# KiCad board PiEEG.kicad_pcb (continued)
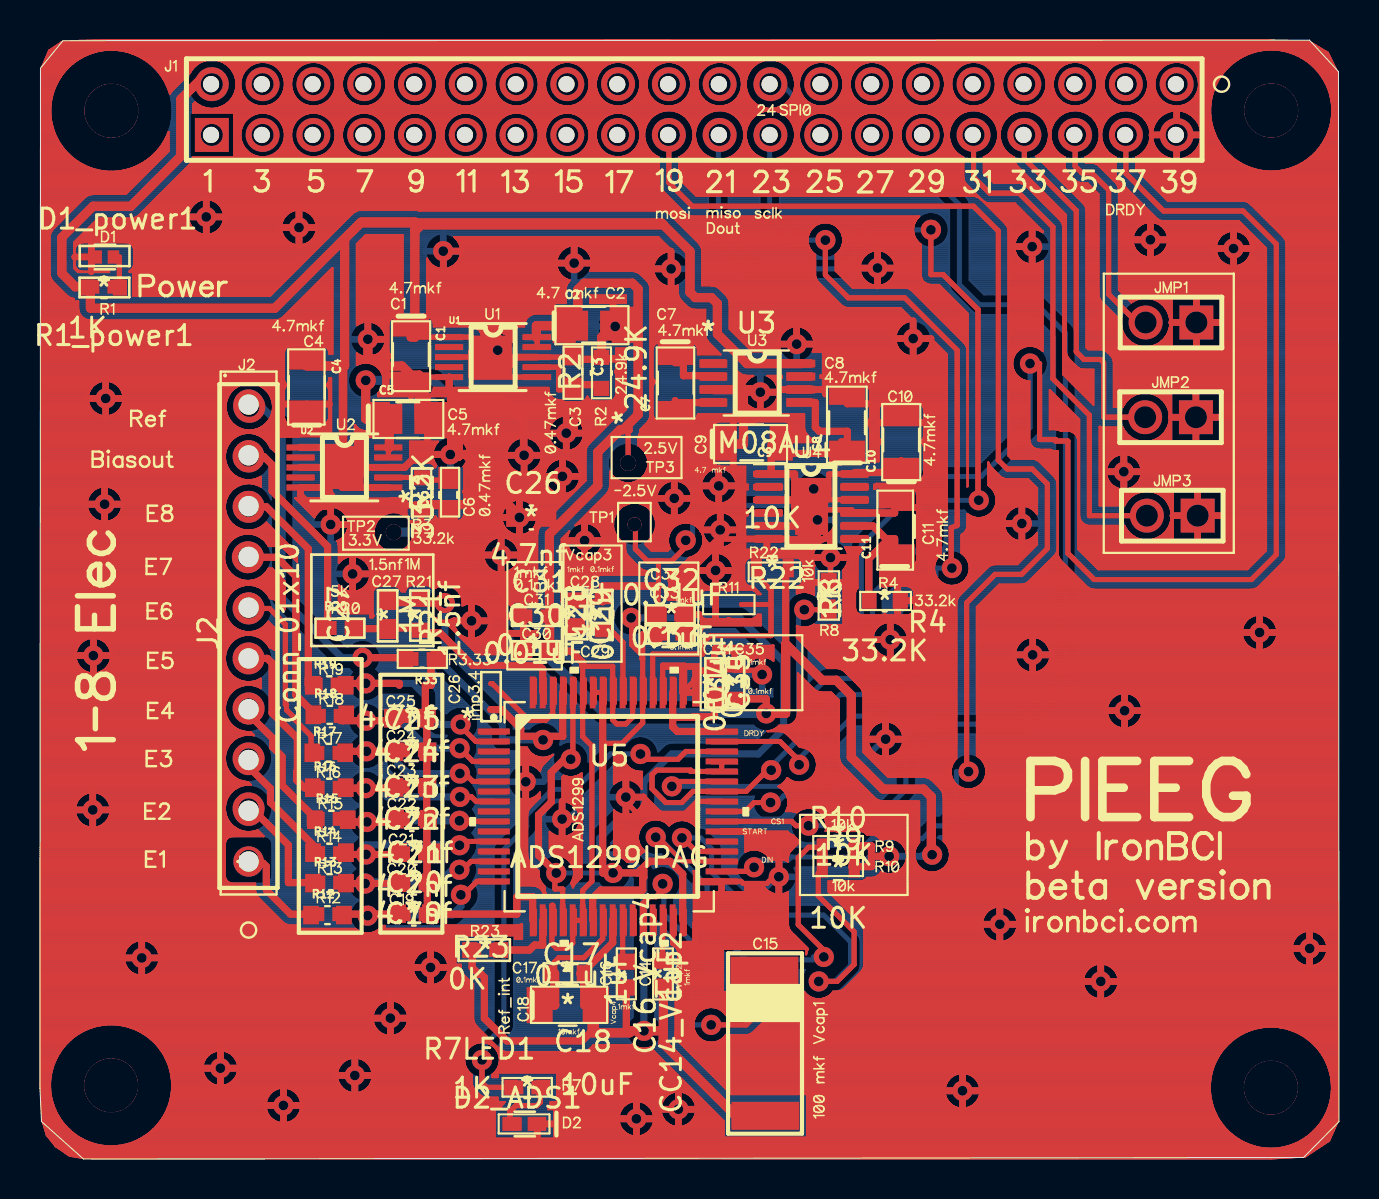
[diagram p0: board, top side]
## Routing (per net, layer and track width the routed paths; a pad name or vN(x,y) marks a point on that pad's centre or on a via; arc(x,y) is an arc through that point) (continued)
50.75,50.55 ; 50.81,50.47 50.75,50.55 ; 50.75,50.55 50.7,50.63 ; 50.75,50.55 50.7,50.63 ; 17.26,40.78 17.24,40.71 ; 17.26,40.78 17.24,40.71 ; 17.26,40.78 17.28,40.84 ; 17.26,40.78 17.28,40.84 ; 17.24,40.71 17.21,40.64 ; 17.24,40.71 17.21,40.64 ; 59.58,54.76 59.69,54.85 ; 59.58,54.76 59.47,54.66 ; 59.58,54.76 59.47,54.66 ; 59.58,54.76 59.69,54.85 ; 16.81,39.68 16.85,39.65 ; 16.81,39.68 16.77,39.71 ; 16.81,39.68 16.77,39.71 ; 16.81,39.68 16.85,39.65 ; 16.85,39.65 16.89,39.62 ; 16.85,39.65 16.89,39.62 ; 16.64,41.87 16.71,41.85 ; 16.64,41.87 16.71,41.85 ; 16.64,41.87 16.58,41.89 ; 16.64,41.87 16.58,41.89 ; 16.71,41.85 16.77,41.82 ; 16.71,41.85 16.77,41.82 ; 53.93,9.09 53.94,9.02 ; 53.93,9.09 53.91,9.16 ; 53.93,9.09 53.91,9.16 ; 53.93,9.09 53.94,9.02 ; 53.94,9.02 53.95,8.95 ; 53.94,9.02 53.95,8.95 ; 30.43,53.34 30.4,53.43 ; 30.43,53.34 30.47,53.25 ; 30.43,53.34 30.47,53.25 ; 30.43,53.34 30.4,53.43 ; 55.75,53.62 55.74,53.72 ; 55.75,53.62 55.74,53.72 ; 55.75,53.62 55.77,53.53 ; 55.75,53.62 55.77,53.53 ; 55.74,53.72 55.74,53.82 ; 55.74,53.72 55.74,53.82 ; 20.16,8.95 20.11,8.9 ; 20.16,8.95 20.11,8.9 ; 20.11,8.9 20.05,8.86 ; 20.11,8.9 20.05,8.86 ; 63.04,11.3 62.99,11.26 ; 63.04,11.3 62.99,11.26 ; 62.75,11.01 62.79,11.06 ; 62.75,11.01 62.79,11.06 ; 62.75,11.01 62.71,10.95 ; 62.75,11.01 62.71,10.95 ; 62.79,11.06 62.83,11.12 ; 62.79,11.06 62.83,11.12 ; 37.89,30.09 37.95,30.07 ; 37.89,30.09 37.95,30.07 ; 56.15,42.75 56.22,42.68 ; 56.15,42.75 56.22,42.68 ; 55.66,38.29 55.75,38.25 ; 55.66,38.29 55.75,38.25 ; 55.66,38.29 55.56,38.31 ; 55.66,38.29 55.56,38.31 ; 2.4,38.13 2.41,38.2 ; 2.4,38.13 2.39,38.06 ; 2.4,38.13 2.41,38.2 ; 2.4,38.13 2.39,38.06 ; 2.41,38.2 2.42,38.26 ; 2.41,38.2 2.42,38.26 ; 35.18,39.21 35.13,39.23 ; 35.18,39.21 35.13,39.23 ; 35.13,39.23 35.09,39.25 ; 35.13,39.23 35.09,39.25 ; 25.39,54.3 25.45,54.39 ; 25.39,54.3 25.45,54.39 ; 62.7,49.61 62.56,49.56 ; 62.7,49.61 62.56,49.56 ; 62.7,49.61 62.84,49.67 ; 62.7,49.61 62.84,49.67 ; 62.56,49.56 62.42,49.52 ; 62.56,49.56 62.42,49.52 ; 39.64,31.49 39.6,31.44 ; 39.64,31.49 39.6,31.44 ; 40.12,46.27 40.14,46.22 ; 40.12,46.27 40.11,46.32 ; 40.12,46.27 40.11,46.32 ; 40.12,46.27 40.14,46.22 ; 60.85,25.46 60.79,25.48 ; 60.85,25.46 60.79,25.48 ; 45.82,53.08 45.77,53.16 ; 45.82,53.08 45.89,53 ; 45.82,53.08 45.89,53 ; 45.82,53.08 45.77,53.16 ; 45.77,53.16 45.71,53.25 ; 45.77,53.16 45.71,53.25 ; 50.79,53.25 50.75,53.34 ; 50.79,53.25 50.75,53.34 ; 33.8,32.8 33.73,32.81 ; 33.8,32.8 33.73,32.81 ; 51.93,30.52 52.94,29.5 ; 51.93,30.52 51.93,35.87 ; 51.93,30.52 52.94,29.5 ; 51.93,30.52 51.93,35.87 ; 52.94,29.5 60.39,29.5 ; 52.94,29.5 60.39,29.5 ; 8.35,5.13 8.4,5.18 ; 8.35,5.13 8.4,5.18 ; 8.4,5.18 8.45,5.23 ; 8.4,5.18 8.45,5.23 ; 12.98,3.08 13,3.02 ; 12.98,3.08 13,3.02 ; 60.87,28.56 60.83,28.54 ; 60.87,28.56 60.9,28.58 ; 60.87,28.56 60.83,28.54 ; 60.87,28.56 60.9,28.58 ; 60.83,28.54 60.79,28.52 ; 60.83,28.54 60.79,28.52 ; 28.88,32.41 29.1,32.63 ; 28.88,32.41 28.85,32.37 ; 28.88,32.41 28.85,32.37 ; 28.88,32.41 29.1,32.63 ; 29.1,32.63 29.15,32.66 ; 29.1,32.63 29.15,32.66 ; 41.01,27.23 40.95,27.26 ; 41.01,27.23 40.95,27.26 ; 41.01,27.23 41.06,27.21 ; 41.01,27.23 41.06,27.21 ; 44.22,36.9 44.22,36.15 ; 44.22,36.9 44.22,36.15 ; 36.53,21.42 36.48,21.41 ; 36.53,21.42 36.57,21.43 ; 36.53,21.42 36.48,21.41 ; 36.53,21.42 36.57,21.43 ; 46.38,31.61 46.37,31.58 ; 46.38,31.61 46.37,31.58 ; 43.86,37.87 43.9,37.86 ; 43.86,37.87 42.91,37.87 ; 43.86,37.87 42.91,37.87 ; 43.86,37.87 43.9,37.86 ; 43.9,37.86 43.94,37.85 ; 43.9,37.86 43.94,37.85 ; 53.73,50.15 53.64,50.2 ; 53.73,50.15 53.64,50.2 ; 43.09,20.59 43.05,20.53 ; 43.09,20.59 43.12,20.65 ; 43.09,20.59 43.12,20.65 ; 43.09,20.59 43.05,20.53 ; 43.05,20.53 43.01,20.47 ; 43.05,20.53 43.01,20.47 ; 20.42,51.93 20.49,52 ; 20.42,51.93 20.37,51.85 ; 20.42,51.93 20.37,51.85 ; 20.42,51.93 20.49,52 ; 20.49,52 20.56,52.07 ; 20.49,52 20.56,52.07 ; 17.95,50.46 17.88,50.54 ; 17.95,50.46 17.88,50.54 ; 22.31,26.4 22.26,26.34 ; 22.31,26.4 22.26,26.34 ; 9.49,21.83 9.43,21.91 ; 9.49,21.83 9.43,21.91 ; 9.49,21.83 9.56,21.75 ; 9.49,21.83 9.56,21.75 ; 9.43,21.91 9.38,22 ; 9.43,21.91 9.38,22 ; 54.98,22.95 55.01,22.89 ; 54.98,22.95 55.01,22.89 ; 55.95,46.78 56.01,46.75 ; 55.95,46.78 55.89,46.81 ; 55.95,46.78 56.01,46.75 ; 55.95,46.78 55.89,46.81 ; 62.64,10.33 62.62,10.4 ; 62.64,10.33 62.62,10.4 ; 62.64,10.33 62.65,10.27 ; 62.64,10.33 62.65,10.27 ; 62.62,10.4 62.62,10.47 ; 62.62,10.4 62.62,10.47 ; 61.79,25.93 61.76,25.87 ; 61.79,25.93 61.82,25.99 ; 61.79,25.93 61.76,25.87 ; 61.79,25.93 61.82,25.99 ; 61.76,25.87 61.72,25.81 ; 61.76,25.87 61.72,25.81 ; 17.96,32.33 18.21,32.22 ; 17.96,32.33 17.91,32.35 ; 17.96,32.33 18.21,32.22 ; 17.96,32.33 17.91,32.35 ; 61.2,25.47 61.27,25.49 ; 61.2,25.47 61.27,25.49 ; 25.42,2.52 25.41,2.49 ; 25.42,2.52 25.44,2.55 ; 25.42,2.52 25.44,2.55 ; 25.42,2.52 25.41,2.49 ; 25.41,2.49 25.71,2.49 ; 25.41,2.49 25.71,2.49 ; 33.28,5.87 33.23,5.89 ; 33.28,5.87 33.33,5.85 ; 33.28,5.87 33.33,5.85 ; 33.28,5.87 33.23,5.89 ; 33.23,5.89 33.19,5.91 ; 33.23,5.89 33.19,5.91 ; 64.57,51.81 64.53,51.66 ; 64.57,51.81 64.6,51.96 ; 64.57,51.81 64.6,51.96 ; 64.57,51.81 64.53,51.66 ; 64.53,51.66 64.49,51.52 ; 64.53,51.66 64.49,51.52 ; 49.8,26.1 49.87,26.09 ; 49.8,26.1 49.87,26.09 ; 48.76,25.16 48.76,25.23 ; 48.76,25.16 48.76,25.23 ; 48.76,25.16 48.77,25.09 ; 48.76,25.16 48.77,25.09 ; 48.76,25.23 48.76,25.3 ; 48.76,25.23 48.76,25.3 ; 48.21,50.55 48.16,50.63 ; 48.21,50.55 48.16,50.63 ; 48.16,50.63 48.11,50.72 ; 48.16,50.63 48.11,50.72 ; 35.87,27.19 35.84,27.15 ; 35.87,27.19 35.84,27.15 ; 23,4.86 23,4.91 ; 23,4.86 23,4.91 ; 30.25,18.16 30.22,18.19 ; 30.25,18.16 30.22,18.19 ; 30.25,18.16 30.9,17.51 ; 30.25,18.16 30.9,17.51 ; 30.22,18.19 30.2,18.23 ; 30.22,18.19 30.2,18.23 ; 31.43,31.15 31.44,31.2 ; 31.43,31.15 31.44,31.2 ; 31.44,31.2 31.46,31.25 ; 31.44,31.2 31.46,31.25 ; 50.86,30.34 50.84,30.31 ; 50.86,30.34 50.84,30.31 ; 33.08,28.37 33.11,28.4 ; 33.08,28.37 33.05,28.34 ; 33.08,28.37 33.11,28.4 ; 33.08,28.37 33.05,28.34 ; 33.11,28.4 33.14,28.42 ; 33.11,28.4 33.14,28.42 ; 61.4,25.54 61.34,25.51 ; 61.4,25.54 61.34,25.51 ; 61.34,25.51 61.27,25.49 ; 61.34,25.51 61.27,25.49 ; 24.93,34.68 24.89,34.62 ; 24.93,34.68 24.97,34.73 ; 24.93,34.68 24.97,34.73 ; 24.93,34.68 24.89,34.62 ; 26.47,31.4 26.44,31.34 ; 26.47,31.4 26.44,31.34 ; 29.49,50.28 29.4,50.23 ; 29.49,50.28 29.4,50.23 ; 29.49,50.28 29.57,50.33 ; 29.49,50.28 29.57,50.33 ; 50.08,46.41 50.14,46.38 ; 50.08,46.41 50.02,46.45 ; 50.08,46.41 50.02,46.45 ; 50.08,46.41 50.14,46.38 ; 50.14,46.38 50.15,46.37 ; 50.14,46.38 50.15,46.37 ; 50.6,35.45 50.57,35.47 ; 50.6,35.45 50.57,35.47 ; 38.53,46.44 38.56,46.49 ; 38.53,46.44 38.56,46.49 ; 38.56,46.49 38.59,46.53 ; 38.56,46.49 38.59,46.53 ; 28.99,2.3 29.01,2.36 ; 28.99,2.3 28.97,2.23 ; 28.99,2.3 29.01,2.36 ; 28.99,2.3 28.97,2.23 ; 41.47,36.95 41.45,36.91 ; 41.47,36.95 41.49,36.98 ; 41.47,36.95 41.45,36.91 ; 41.47,36.95 41.49,36.98 ; 41.45,36.91 41.42,36.88 ; 41.45,36.91 41.42,36.88 ; 37.33,18.98 37.3,18.94 ; 37.33,18.98 37.3,18.94 ; 37.3,18.94 37.27,18.9 ; 37.3,18.94 37.27,18.9 ; 58.91,45.96 58.88,45.9 ; 58.91,45.96 58.88,45.9 ; 10.6,33.8 10.5,33.81 ; 10.6,33.8 10.5,33.81 ; 17.56,33.05 17.6,33.06 ; 17.56,33.05 17.6,33.06 ; 52.21,8.62 52.19,8.68 ; 52.21,8.62 52.23,8.55 ; 52.21,8.62 52.19,8.68 ; 52.21,8.62 52.23,8.55 ; 52.19,8.68 52.18,8.75 ; 52.19,8.68 52.18,8.75 ; 16.14,11.32 16.1,11.33 ; 16.14,11.32 16.19,11.31 ; 16.14,11.32 16.1,11.33 ; 16.14,11.32 16.19,11.31 ; 49.39,28.84 49.36,28.81 ; 49.39,28.84 49.36,28.81 ; 49.39,28.84 49.43,28.86 ; 49.39,28.84 49.43,28.86 ; 49.36,28.81 49.33,28.79 ; 49.36,28.81 49.33,28.79 ; 43.3,33.83 43.26,33.81 ; 43.3,33.83 43.26,33.81 ; 29.82,1.12 29.75,1.12 ; 29.82,1.12 29.75,1.12 ; 29.75,1.12 29.68,1.13 ; 29.75,1.12 29.68,1.13 ; 14.48,52 14.55,51.93 ; 14.48,52 14.55,51.93 ; 14.48,52 14.41,52.07 ; 14.48,52 14.41,52.07 ; 14.55,51.93 14.61,51.85 ; 14.55,51.93 14.61,51.85 ; 28.78,39.41 28.77,39.39 ; 28.78,39.41 28.79,39.44 ; 28.78,39.41 28.77,39.39 ; 28.78,39.41 28.79,39.44 ; 28.77,39.39 28.79,39.33 ; 28.77,39.39 28.79,39.33 ; 33.39,40.92 33.36,40.96 ; 33.39,40.92 33.42,40.88 ; 33.39,40.92 33.42,40.88 ; 33.39,40.92 33.36,40.96 ; 33.36,40.96 33.34,41 ; 33.36,40.96 33.34,41 ; 32.77,42.49 32.73,42.49 ; 32.77,42.49 33.27,42.49 ; 32.77,42.49 33.27,42.49 ; 32.77,42.49 32.73,42.49 ; 32.73,42.49 32.68,42.49 ; 32.73,42.49 32.68,42.49 ; 19.63,50.54 19.56,50.46 ; 19.63,50.54 19.56,50.46 ; 0.65,4.63 0.7,4.77 ; 0.65,4.63 0.7,4.77 ; 3.24,24.5 3.19,24.46 ; 3.24,24.5 3.29,24.55 ; 3.24,24.5 3.29,24.55 ; 3.24,24.5 3.19,24.46 ; 11.05,24.03 10.97,23.99 ; 11.05,24.03 11.05,23.56 ; 11.05,24.03 11.05,23.56 ; 11.05,24.03 10.97,23.99 ; 60.79,25.48 60.72,25.5 ; 60.79,25.48 60.72,25.5 ; 25.09,35.06 25.08,34.99 ; 25.09,35.06 25.08,34.99 ; 36.5,7.3 36.51,7.34 ; 36.5,7.3 36.51,7.34 ; 15.96,11.4 15.92,11.42 ; 15.96,11.4 15.92,11.42 ; 15.92,11.42 15.87,11.45 ; 15.92,11.42 15.87,11.45 ; 40.03,42.76 38.92,43.87 ; 40.03,42.76 38.92,43.87 ; 12.19,50.89 12.16,50.8 ; 12.19,50.89 12.16,50.8 ; 12.19,50.89 12.22,50.99 ; 12.19,50.89 12.22,50.99 ; 56.67,30.95 56.67,33.42 ; 56.67,30.95 56.67,33.42 ; 19.46,8.7 19.39,8.71 ; 19.46,8.7 19.39,8.71 ; 19.39,8.71 19.32,8.72 ; 19.39,8.71 19.32,8.72 ; 16.71,31.57 16.73,31.63 ; 16.71,31.57 16.7,31.51 ; 16.71,31.57 16.7,31.51 ; 16.71,31.57 16.73,31.63 ; 16.73,31.63 16.84,31.88 ; 16.73,31.63 16.84,31.88 ; 34.68,34.2 34.71,34.14 ; 34.68,34.2 34.71,34.14 ; 34.68,34.2 34.63,34.25 ; 34.68,34.2 34.63,34.25 ; 34.71,34.14 34.75,34.08 ; 34.71,34.14 34.75,34.08 ; 41.97,36.05 41.96,36.09 ; 41.97,36.05 41.96,36.09 ; 41.96,36.09 41.95,36.13 ; 41.96,36.09 41.95,36.13 ; 2.15,25.91 2.21,25.95 ; 2.15,25.91 2.21,25.95 ; 2.15,25.91 2.1,25.87 ; 2.15,25.91 2.1,25.87 ; 2.21,25.95 2.27,25.98 ; 2.21,25.95 2.27,25.98 ; 58.09,51.14 58.08,51.06 ; 58.09,51.14 58.09,51.22 ; 58.09,51.14 58.08,51.06 ; 58.09,51.14 58.09,51.22 ; 58.08,51.06 58.06,50.99 ; 58.08,51.06 58.06,50.99 ; 16.51,50.16 16.41,50.14 ; 16.51,50.16 16.61,50.19 ; 16.51,50.16 16.61,50.19 ; 16.51,50.16 16.41,50.14 ; 36.92,52.6 36.82,52.57 ; 36.92,52.6 37.01,52.64 ; 36.92,52.6 36.82,52.57 ; 36.92,52.6 37.01,52.64 ; 36.82,52.57 36.72,52.55 ; 36.82,52.57 36.72,52.55 ; 32,31.79 31.95,31.78 ; 32,31.79 31.95,31.78 ; 12.19,46.14 12.16,46.2 ; 12.19,46.14 12.16,46.2 ; 30.67,32.29 30.79,32.01 ; 30.67,32.29 30.79,32.01 ; 30.67,32.29 30.65,32.34 ; 30.67,32.29 30.65,32.34 ; 30.79,32.01 30.8,31.95 ; 30.79,32.01 30.8,31.95 ; 31.07,17.38 31.03,17.4 ; 31.07,17.38 31.03,17.4 ; 31.03,17.4 31,17.42 ; 31.03,17.4 31,17.42 ; 13.35,45.8 13.41,45.84 ; 13.35,45.8 13.41,45.84 ; 50.26,53.34 50.22,53.25 ; 50.26,53.34 50.29,53.43 ; 50.26,53.34 50.29,53.43 ; 50.26,53.34 50.22,53.25 ; 50.22,53.25 50.17,53.16 ; 50.22,53.25 50.17,53.16 ; 9.3,20.37 9.33,20.47 ; 9.3,20.37 9.33,20.47 ; 31.09,32.43 31.14,32.38 ; 31.09,32.43 31.14,32.38 ; 11.11,36.12 11.03,36.17 ; 11.11,36.12 11.03,36.17 ; 24.32,54.78 24.41,54.73 ; 24.32,54.78 24.23,54.82 ; 24.32,54.78 24.23,54.82 ; 24.32,54.78 24.41,54.73 ; 34.9,39.4 34.76,39.53 ; 34.9,39.4 34.97,39.33 ; 34.9,39.4 34.76,39.53 ; 34.9,39.4 34.97,39.33 ; 2,49.83 1.87,49.91 ; 2,49.83 2.13,49.75 ; 2,49.83 2.13,49.75 ; 2,49.83 1.87,49.91 ; 1.87,49.91 1.75,50 ; 1.87,49.91 1.75,50 ; 18.81,9.07 18.77,9.13 ; 18.81,9.07 18.85,9.01 ; 18.81,9.07 18.77,9.13 ; 18.81,9.07 18.85,9.01 ; 53.64,50.2 53.56,50.26 ; 53.64,50.2 53.56,50.26 ; 53.56,50.26 53.48,50.32 ; 53.56,50.26 53.48,50.32 ; 46.54,2.61 46.48,2.59 ; 46.54,2.61 46.48,2.59 ; 46.54,2.61 46.6,2.65 ; 46.54,2.61 46.6,2.65 ; 27.03,52.13 27.11,52.07 ; 27.03,52.13 27.11,52.07 ; 35.28,28.81 35.25,28.87 ; 35.28,28.81 35.25,28.87 ; 35.25,28.87 35.23,28.92 ; 35.25,28.87 35.23,28.92 ; 35.02,53.34 34.98,53.25 ; 35.02,53.34 35.05,53.43 ; 35.02,53.34 35.05,53.43 ; 35.02,53.34 34.98,53.25 ; 34.98,53.25 34.93,53.16 ; 34.98,53.25 34.93,53.16 ; 35.6,54.58 35.67,54.65 ; 35.6,54.58 35.67,54.65 ; 2.52,24.31 2.45,24.32 ; 2.52,24.31 2.45,24.32 ; 38.6,20.36 38.63,20.32 ; 38.6,20.36 38.63,20.32 ; 4.03,33.16 4.06,33.1 ; 4.03,33.16 3.99,33.22 ; 4.03,33.16 4.06,33.1 ; 4.03,33.16 3.99,33.22 ; 38.27,50.46 38.2,50.54 ; 38.27,50.46 38.2,50.54 ; 43.69,40.15 43.62,40.16 ; 43.69,40.15 43.62,40.16 ; 43.69,40.15 43.76,40.16 ; 43.69,40.15 43.76,40.16 ; 43.62,40.16 43.55,40.16 ; 43.62,40.16 43.55,40.16 ; 2.17,16.71 2.11,16.75 ; 2.17,16.71 2.11,16.75 ; 2.17,16.71 2.23,16.67 ; 2.17,16.71 2.23,16.67 ; 2.11,16.75 2.05,16.79 ; 2.11,16.75 2.05,16.79 ; 39.68,8.37 39.82,8.37 ; 39.68,8.37 39.82,8.37 ; 4.22,9.86 4.24,9.79 ; 4.22,9.86 4.24,9.79 ; 42.73,53.82 42.73,53.72 ; 42.73,53.82 42.73,53.72 ; 42.73,53.82 42.72,53.92 ; 42.73,53.82 42.72,53.92 ; 42.73,53.72 42.72,53.62 ; 42.73,53.72 42.72,53.62 ; 64.55,2.93 64.52,2.78 ; 64.55,2.93 64.58,3.07 ; 64.55,2.93 64.58,3.07 ; 64.55,2.93 64.52,2.78 ; 44.05,37.8 44.08,37.78 ; 44.05,37.8 44.08,37.78 ; 44.08,37.78 44.11,37.75 ; 44.08,37.78 44.11,37.75 ; 37.17,18.79 37.13,18.76 ; 37.17,18.79 37.13,18.76 ; 37.17,18.79 37.21,18.82 ; 37.17,18.79 37.21,18.82 ; 27.86,50.89 27.83,50.99 ; 27.86,50.89 27.83,50.99 ; 27.86,50.89 27.89,50.8 ; 27.86,50.89 27.89,50.8 ; 27.83,50.99 27.81,51.08 ; 27.83,50.99 27.81,51.08 ; 12.24,53.62 12.25,53.72 ; 12.24,53.62 12.25,53.72 ; 5.54,6.01 5.65,5.91 ; 5.54,6.01 5.43,6.1 ; 5.54,6.01 5.43,6.1 ; 5.54,6.01 5.65,5.91 ; 5.65,5.91 5.76,5.8 ; 5.65,5.91 5.76,5.8 ; 15.34,31.34 15.3,31.28 ; 15.34,31.34 15.3,31.28 ; 13.58,52.34 13.48,52.33 ; 13.58,52.34 13.48,52.33 ; 48.41,10.95 48.34,10.92 ; 48.41,10.95 48.47,10.98 ; 48.41,10.95 48.34,10.92 ; 48.41,10.95 48.47,10.98 ; 48.34,10.92 48.28,10.89 ; 48.34,10.92 48.28,10.89 ; 9.46,29.39 9.4,29.47 ; 9.46,29.39 9.4,29.47 ; 9.46,29.39 9.52,29.31 ; 9.46,29.39 9.52,29.31 ; 9.4,29.47 9.35,29.56 ; 9.4,29.47 9.35,29.56 ; 30.24,2.8 30.3,2.77 ; 30.24,2.8 30.18,2.83 ; 30.24,2.8 30.18,2.83 ; 30.24,2.8 30.3,2.77 ; 30.3,2.77 30.36,2.73 ; 30.3,2.77 30.36,2.73 ; 29.98,51.58 30,51.48 ; 29.98,51.58 29.94,51.67 ; 29.98,51.58 29.94,51.67 ; 29.98,51.58 30,51.48 ; 30,51.48 30.02,51.38 ; 30,51.48 30.02,51.38 ; 8.31,46.24 8.24,46.24 ; 8.31,46.24 8.24,46.24 ; 8.24,46.24 8.17,46.25 ; 8.24,46.24 8.17,46.25 ; 3.8,0.64 3.65,0.64 ; 3.8,0.64 3.65,0.64 ; 3.8,0.64 3.95,0.66 ; 3.8,0.64 3.95,0.66 ; 3.65,0.64 3.5,0.63 ; 3.65,0.64 3.5,0.63 ; 55.25,54.39 55.3,54.3 ; 55.25,54.39 55.19,54.47 ; 55.25,54.39 55.3,54.3 ; 55.25,54.39 55.19,54.47 ; 55.3,54.3 55.34,54.21 ; 55.3,54.3 55.34,54.21 ; 41.81,52.68 41.72,52.66 ; 41.81,52.68 41.91,52.7 ; 41.81,52.68 41.72,52.66 ; 41.81,52.68 41.91,52.7 ; 41.72,52.66 41.62,52.66 ; 41.72,52.66 41.62,52.66 ; 26.04,16.12 25.97,16.13 ; 26.04,16.12 26.11,16.12 ; 26.04,16.12 25.97,16.13 ; 26.04,16.12 26.11,16.12 ; 25.97,16.13 25.9,16.14 ; 25.97,16.13 25.9,16.14 ; 24.36,19.76 24.42,19.76 ; 24.36,19.76 24.42,19.76 ; 24.36,19.76 24.29,19.77 ; 24.36,19.76 24.29,19.77 ; 24.42,19.76 24.49,19.74 ; 24.42,19.76 24.49,19.74 ; 44.88,30.08 44.86,30.04 ; 44.88,30.08 44.86,30.04 ; 53.62,23.07 53.68,23.11 ; 53.62,23.07 53.68,23.11 ; 53.62,23.07 53.58,23.01 ; 53.62,23.07 53.58,23.01 ; 53.68,23.11 53.73,23.16 ; 53.68,23.11 53.73,23.16 ; 37.35,41.51 37.41,41.55 ; 37.35,41.51 37.3,41.47 ; 37.35,41.51 37.3,41.47 ; 37.35,41.51 37.41,41.55 ; 37.41,41.55 37.48,41.58 ; 37.41,41.55 37.48,41.58 ; 35.2,38.03 35.18,38.1 ; 35.2,38.03 35.18,38.1 ; 35.2,38.03 35.23,37.97 ; 35.2,38.03 35.23,37.97 ; 35.18,38.1 35.16,38.16 ; 35.18,38.1 35.16,38.16 ; 8.13,4.62 8.14,4.69 ; 8.13,4.62 8.13,4.55 ; 8.13,4.62 8.13,4.55 ; 8.13,4.62 8.14,4.69 ; 5.26,49.91 5.39,49.99 ; 5.26,49.91 5.39,49.99 ; 53.32,51.96 53.26,51.87 ; 53.32,51.96 53.26,51.87 ; 37.75,53.98 37.73,54.07 ; 37.75,53.98 37.73,54.07 ; 16.95,52.94 16.87,52.87 ; 16.95,52.94 16.87,52.87 ; 16.95,52.94 17.02,53 ; 16.95,52.94 17.02,53 ; 37.37,36.88 37.42,36.85 ; 37.37,36.88 37.42,36.85 ; 37.42,36.85 37.47,36.81 ; 37.42,36.85 37.47,36.81 ; 18.69,9.87 18.67,9.8 ; 18.69,9.87 18.67,9.8 ; 18.84,47.48 18.8,47.49 ; 18.84,47.48 18.8,47.49 ; 23.89,29.87 23.86,29.81 ; 23.89,29.87 23.91,29.93 ; 23.89,29.87 23.86,29.81 ; 23.89,29.87 23.91,29.93 ; 38.3,31.31 38.25,31.36 ; 38.3,31.31 38.25,31.36 ; 51.93,35.87 51.93,35.96 ; 51.93,35.87 51.93,35.96 ; 41.79,33.57 41.83,33.59 ; 41.79,33.57 41.83,33.59 ; 41.79,33.57 41.76,33.55 ; 41.79,33.57 41.76,33.55 ; 41.83,33.59 41.87,33.61 ; 41.83,33.59 41.87,33.61 ; 9.53,33.39 9.6,33.47 ; 9.53,33.39 9.47,33.31 ; 9.53,33.39 9.47,33.31 ; 9.53,33.39 9.6,33.47 ; 9.6,33.47 9.67,33.53 ; 9.6,33.47 9.67,33.53 ; 38.08,26.6 38.13,26.6 ; 38.08,26.6 38.13,26.6 ; 41.73,25.58 41.7,25.65 ; 41.73,25.58 41.7,25.65 ; 41.73,25.58 41.76,25.52 ; 41.73,25.58 41.76,25.52 ; 41.7,25.65 41.68,25.71 ; 41.7,25.65 41.68,25.71 ; 31.4,47.36 31.44,47.33 ; 31.4,47.36 31.36,47.38 ; 31.4,47.36 31.36,47.38 ; 31.4,47.36 31.44,47.33 ; 31.44,47.33 31.48,47.3 ; 31.44,47.33 31.48,47.3 ; 40.16,53.53 40.13,53.43 ; 40.16,53.53 40.13,53.43 ; 28.81,32.32 28.85,32.37 ; 28.81,32.32 28.85,32.37 ; 47.55,33.63 47.51,33.66 ; 47.55,33.63 47.51,33.66 ; 22.74,1.02 22.74,2.49 ; 22.74,1.02 22.74,2.49 ; 22.74,1.02 25.71,1.02 ; 22.74,1.02 25.71,1.02 ; 22.74,2.49 22.79,2.49 ; 22.74,2.49 22.79,2.49 ; 60.3,47.92 60.26,47.93 ; 60.3,47.92 60.26,47.93 ; 48.74,39.36 48.72,39.41 ; 48.74,39.36 48.72,39.41 ; 37.51,11.42 37.49,11.46 ; 37.51,11.42 37.49,11.46 ; 59.29,44.76 59.23,44.8 ; 59.29,44.76 59.23,44.8 ; 59.29,44.76 59.35,44.73 ; 59.29,44.76 59.35,44.73 ; 59.23,44.8 59.17,44.84 ; 59.23,44.8 59.17,44.84 ; 2.62,0.78 2.48,0.83 ; 2.62,0.78 2.76,0.74 ; 2.62,0.78 2.48,0.83 ; 2.62,0.78 2.76,0.74 ; 19.33,50.28 19.24,50.23 ; 19.33,50.28 19.24,50.23 ; 46.89,52.68 46.8,52.66 ; 46.89,52.68 46.99,52.7 ; 46.89,52.68 46.8,52.66 ; 46.89,52.68 46.99,52.7 ; 46.8,52.66 46.7,52.66 ; 46.8,52.66 46.7,52.66 ; 48.35,32.26 48.39,32.32 ; 48.35,32.26 48.32,32.2 ; 48.35,32.26 48.32,32.2 ; 48.35,32.26 48.39,32.32 ; 48.39,32.32 48.43,32.37 ; 48.39,32.32 48.43,32.37 ; 23.03,52 22.96,51.93 ; 23.03,52 22.96,51.93 ; 63.48,50.06 63.36,49.97 ; 63.48,50.06 63.59,50.16 ; 63.48,50.06 63.36,49.97 ; 63.48,50.06 63.59,50.16 ; 63.36,49.97 63.24,49.89 ; 63.36,49.97 63.24,49.89 ; 41.43,20.8 41.41,20.87 ; 41.43,20.8 41.41,20.87 ; 41.43,20.8 41.45,20.74 ; 41.43,20.8 41.45,20.74 ; 41.09,44.18 41.07,44.24 ; 41.09,44.18 41.13,44.12 ; 41.09,44.18 41.07,44.24 ; 41.09,44.18 41.13,44.12 ; 40.17,45.87 40.17,45.92 ; 40.17,45.87 40.17,45.92 ; 54.69,38.2 54.78,38.24 ; 54.69,38.2 54.78,38.24 ; 54.69,38.2 54.6,38.14 ; 54.69,38.2 54.6,38.14 ; 54.78,38.24 54.87,38.28 ; 54.78,38.24 54.87,38.28 ; 40.2,8.5 40.17,8.47 ; 40.2,8.5 40.23,8.52 ; 40.2,8.5 40.17,8.47 ; 40.2,8.5 40.23,8.52 ; 40.17,8.47 40.14,8.45 ; 40.17,8.47 40.14,8.45 ; 11.72,3.45 11.78,3.48 ; 11.72,3.45 11.66,3.41 ; 11.72,3.45 11.78,3.48 ; 11.72,3.45 11.66,3.41 ; 11.78,3.48 11.84,3.51 ; 11.78,3.48 11.84,3.51 ; 30.51,37.1 30.52,37.15 ; 30.51,37.1 30.52,37.15 ; 53.53,22.96 53.58,23.01 ; 53.53,22.96 53.58,23.01 ; 37.55,50.53 37.49,50.45 ; 37.55,50.53 37.49,50.45 ; 56.1,31.2 56.02,31.14 ; 56.1,31.2 56.18,31.26 ; 56.1,31.2 56.18,31.26 ; 56.1,31.2 56.02,31.14 ; 56.02,31.14 55.93,31.09 ; 56.02,31.14 55.93,31.09 ; 55.06,38.33 54.97,38.31 ; 55.06,38.33 54.97,38.31 ; 30.81,44.06 30.77,44.13 ; 30.81,44.06 30.77,44.13 ; 30.81,44.06 30.85,44.01 ; 30.81,44.06 30.85,44.01 ; 43.15,25.34 43.1,25.3 ; 43.15,25.34 43.2,25.4 ; 43.15,25.34 43.1,25.3 ; 43.15,25.34 43.2,25.4 ; 43.1,25.3 43.04,25.26 ; 43.1,25.3 43.04,25.26 ; 48.9,11.75 48.9,11.74 ; 48.9,11.75 48.9,11.74 ; 48.9,11.75 48.9,11.81 ; 48.9,11.75 48.9,11.81 ; 36.55,14.91 36.52,14.99 ; 36.55,14.91 36.52,14.99 ; 41.49,36.67 41.51,36.62 ; 41.49,36.67 41.51,36.62 ; 10.76,13.51 10.76,13.78 ; 10.76,13.51 10.76,13.41 ; 10.76,13.51 10.76,13.78 ; 10.76,13.51 10.76,13.41 ; 10.76,13.78 9.63,13.78 ; 10.76,13.78 9.63,13.78 ; 22.18,3.1 22.15,3.11 ; 22.18,3.1 22.15,3.11 ; 22.15,3.11 22.11,3.13 ; 22.15,3.11 22.11,3.13 ; 35.41,6.21 35.45,6.21 ; 35.41,6.21 35.45,6.21 ; 30.85,33.2 30.86,33.27 ; 30.85,33.2 30.86,33.27 ; 30.85,33.2 30.84,33.13 ; 30.85,33.2 30.84,33.13 ; 30.86,33.27 30.88,33.34 ; 30.86,33.27 30.88,33.34 ; 55.39,45.11 55.33,45.12 ; 55.39,45.11 55.33,45.12 ; 59.8,6.06 59.92,6.14 ; 59.8,6.06 59.92,6.14 ; 43.81,46.96 43.84,47 ; 43.81,46.96 43.84,47 ; 19.99,31.93 20.03,31.92 ; 19.99,31.93 20.03,31.92 ; 37.99,54.02 38.02,54.12 ; 37.99,54.02 37.97,53.92 ; 37.99,54.02 38.02,54.12 ; 37.99,54.02 37.97,53.92 ; 38.02,54.12 38.05,54.21 ; 38.02,54.12 38.05,54.21 ; 11.63,35.51 11.94,35.19 ; 11.63,35.51 11.56,35.57 ; 11.63,35.51 11.56,35.57 ; 11.63,35.51 11.94,35.19 ; 11.94,35.19 11.94,36.13 ; 11.94,35.19 11.94,36.13 ; 55.12,53 55.05,52.94 ; 55.12,53 55.19,53.08 ; 55.12,53 55.05,52.94 ; 55.12,53 55.19,53.08 ; 55.05,52.94 54.97,52.87 ; 55.05,52.94 54.97,52.87 ; 12.16,54.21 12.2,54.12 ; 12.16,54.21 12.12,54.3 ; 12.16,54.21 12.2,54.12 ; 12.16,54.21 12.12,54.3 ; 27.4,45.4 27.35,45.45 ; 27.4,45.4 27.35,45.45 ; 50.94,30.11 50.93,30.15 ; 50.94,30.11 50.96,30.07 ; 50.94,30.11 50.96,30.07 ; 50.94,30.11 50.93,30.15 ; 50.93,30.15 50.92,30.19 ; 50.93,30.15 50.92,30.19 ; 5.1,10.95 5.17,10.95 ; 5.1,10.95 5.03,10.95 ; 5.1,10.95 5.03,10.95 ; 5.1,10.95 5.17,10.95 ; 5.17,10.95 5.24,10.94 ; 5.17,10.95 5.24,10.94 ; 5.45,1.29 5.33,1.2 ; 5.45,1.29 5.33,1.2 ; 34.17,32.35 34.24,32.34 ; 34.17,32.35 34.24,32.34 ; 34.17,32.35 34.1,32.36 ; 34.17,32.35 34.1,32.36 ; 34.24,32.34 34.31,32.32 ; 34.24,32.34 34.31,32.32 ; 28.49,33.54 28.48,33.5 ; 28.49,33.54 28.48,33.5 ; 28.49,33.54 28.5,33.59 ; 28.49,33.54 28.5,33.59 ; 28.48,33.5 28.46,33.45 ; 28.48,33.5 28.46,33.45 ; 36.95,13.23 36.88,13.23 ; 36.95,13.23 36.88,13.23 ; 36.88,13.23 36.81,13.24 ; 36.88,13.23 36.81,13.24 ; 3.8,37.32 3.74,37.28 ; 3.8,37.32 3.74,37.28 ; 49.9,34.96 49.94,34.94 ; 49.9,34.96 49.94,34.94 ; 49.9,34.96 49.87,34.98 ; 49.9,34.96 49.87,34.98 ; 49.94,34.94 49.97,34.91 ; 49.94,34.94 49.97,34.91 ; 34.3,34.5 34.36,34.47 ; 34.3,34.5 34.23,34.52 ; 34.3,34.5 34.23,34.52 ; 34.3,34.5 34.36,34.47 ; 34.36,34.47 34.42,34.43 ; 34.36,34.47 34.42,34.43 ; 45.26,31.99 45.29,32.01 ; 45.26,31.99 45.23,31.96 ; 45.26,31.99 45.23,31.96 ; 45.26,31.99 45.29,32.01 ; 45.29,32.01 45.33,32.03 ; 45.29,32.01 45.33,32.03 ; 12.54,36.74 12.5,36.75 ; 12.54,36.74 12.58,36.74 ; 12.54,36.74 12.5,36.75 ; 12.54,36.74 12.58,36.74 ; 12.5,36.75 12.46,36.76 ; 12.5,36.75 12.46,36.76 ; 38.22,41.58 38.28,41.55 ; 38.22,41.58 38.28,41.55 ; 38.28,41.55 38.34,41.51 ; 38.28,41.55 38.34,41.51 ; 25.5,53.08 25.45,53.16 ; 25.5,53.08 25.57,53 ; 25.5,53.08 25.45,53.16 ; 25.5,53.08 25.57,53 ; 25.45,53.16 25.39,53.25 ; 25.45,53.16 25.39,53.25 ; 5.96,9.84 5.94,9.78 ; 5.96,9.84 5.94,9.78 ; 2.25,42.02 2.2,42.05 ; 2.25,42.02 2.2,42.05 ; 50.17,53.16 50.11,53.08 ; 50.17,53.16 50.11,53.08 ; 55.77,54.02 55.8,54.12 ; 55.77,54.02 55.75,53.92 ; 55.77,54.02 55.8,54.12 ; 55.77,54.02 55.75,53.92 ; 55.8,54.12 55.83,54.21 ; 55.8,54.12 55.83,54.21 ; 25.7,16.22 25.64,16.25 ; 25.7,16.22 25.64,16.25 ; 25.7,16.22 25.77,16.19 ; 25.7,16.22 25.77,16.19 ; 48.75,45.5 48.74,45.56 ; 48.75,45.5 48.76,45.43 ; 48.75,45.5 48.76,45.43 ; 48.75,45.5 48.74,45.56 ; 52.29,52.35 52.2,52.39 ; 52.29,52.35 52.2,52.39 ; 48.94,25.75 48.98,25.81 ; 48.94,25.75 48.9,25.7 ; 48.94,25.75 48.98,25.81 ; 48.94,25.75 48.9,25.7 ; 48.98,25.81 49.03,25.86 ; 48.98,25.81 49.03,25.86 ; 35.57,36.82 35.6,36.79 ; 35.57,36.82 35.54,36.84 ; 35.57,36.82 35.54,36.84 ; 35.57,36.82 35.6,36.79 ; 35.6,36.79 35.62,36.77 ; 35.6,36.79 35.62,36.77 ; 52.98,50.99 52.96,50.89 ; 52.98,50.99 52.96,50.89 ; 52.98,50.99 53,51.08 ; 52.98,50.99 53,51.08 ; 22.35,50.89 22.32,50.8 ; 22.35,50.89 22.32,50.8 ; 22.35,50.89 22.38,50.99 ; 22.35,50.89 22.38,50.99 ; 22.32,50.8 22.28,50.71 ; 22.32,50.8 22.28,50.71 ; 40.13,53.43 40.1,53.34 ; 40.13,53.43 40.1,53.34 ; 9.23,29.94 9.24,29.84 ; 9.23,29.94 9.24,29.84 ; 44.15,35.97 44.13,35.94 ; 44.15,35.97 44.13,35.94 ; 41.43,38.67 41.41,38.7 ; 41.43,38.67 41.41,38.7 ; 53.66,21.76 53.72,21.71 ; 53.66,21.76 53.72,21.71 ; 49.24,52.66 49.14,52.66 ; 49.24,52.66 49.14,52.66 ; 49.14,52.66 49.04,52.68 ; 49.14,52.66 49.04,52.68 ; 42.83,40.76 42.81,40.83 ; 42.83,40.76 42.81,40.83 ; 30.1,18.51 30.08,18.54 ; 30.1,18.51 30.08,18.54 ; 38.59,46.53 38.62,46.56 ; 38.59,46.53 38.62,46.56 ; 33.07,54.39 33.12,54.47 ; 33.07,54.39 33.12,54.47 ; 33.12,54.47 33.19,54.54 ; 33.12,54.47 33.19,54.54 ; 22.04,3.17 22.01,3.2 ; 22.04,3.17 22.07,3.15 ; 22.04,3.17 22.01,3.2 ; 22.04,3.17 22.07,3.15 ; 22.01,3.2 21.94,3.26 ; 22.01,3.2 21.94,3.26 ; 15.34,50.54 15.29,50.62 ; 15.34,50.54 15.41,50.46 ; 15.34,50.54 15.41,50.46 ; 15.34,50.54 15.29,50.62 ; 15.29,50.62 15.23,50.71 ; 15.29,50.62 15.23,50.71 ; 31.09,2.77 31.11,2.84 ; 31.09,2.77 31.07,2.71 ; 31.09,2.77 31.07,2.71 ; 31.09,2.77 31.11,2.84 ; 31.11,2.84 31.14,2.9 ; 31.11,2.84 31.14,2.9 ; 40.21,38.81 41.16,38.81 ; 40.21,38.81 41.16,38.81 ; 25.6,35.8 25.56,35.86 ; 25.6,35.8 25.64,35.74 ; 25.6,35.8 25.64,35.74 ; 25.6,35.8 25.56,35.86 ; 25.56,35.86 25.53,35.92 ; 25.56,35.86 25.53,35.92 ; 47.14,11.96 47.16,12.03 ; 47.14,11.96 47.16,12.03 ; 47.47,33.69 47.51,33.66 ; 47.47,33.69 47.43,33.71 ; 47.47,33.69 47.43,33.71 ; 47.47,33.69 47.51,33.66 ; 10.86,31.2 10.95,31.16 ; 10.86,31.2 10.95,31.16 ; 8.62,5.34 8.69,5.37 ; 8.62,5.34 8.69,5.37 ; 8.69,5.37 8.75,5.4 ; 8.69,5.37 8.75,5.4 ; 50.27,51.9 50.32,51.81 ; 50.27,51.9 50.32,51.81 ; 19.69,53.16 19.63,53.08 ; 19.69,53.16 19.63,53.08 ; 19.63,53.08 19.56,53 ; 19.63,53.08 19.56,53 ; 21.86,5.81 21.91,5.82 ; 21.86,5.81 21.81,5.8 ; 21.86,5.81 21.91,5.82 ; 21.86,5.81 21.81,5.8 ; 0.71,2.57 0.66,2.71 ; 0.71,2.57 0.66,2.71 ; 0.71,2.57 0.77,2.43 ; 0.71,2.57 0.77,2.43 ; 0.66,2.71 0.62,2.86 ; 0.66,2.71 0.62,2.86 ; 50.53,25.36 50.54,25.29 ; 50.53,25.36 50.52,25.43 ; 50.53,25.36 50.54,25.29 ; 50.53,25.36 50.52,25.43 ; 50.54,25.29 50.54,25.22 ; 50.54,25.29 50.54,25.22 ; 17.61,42.1 17.67,42.12 ; 17.61,42.1 17.67,42.12 ; 13.15,45.73 13.08,45.72 ; 13.15,45.73 13.08,45.72 ; 33.89,32.36 33.96,32.36 ; 33.89,32.36 33.96,32.36 ; 33.89,32.36 33.82,32.34 ; 33.89,32.36 33.82,32.34 ; 33.96,32.36 34.03,32.37 ; 33.96,32.36 34.03,32.37 ; 45.27,3.21 45.26,3.28 ; 45.27,3.21 45.26,3.28 ; 45.27,3.21 45.29,3.14 ; 45.27,3.21 45.29,3.14 ; 45.26,3.28 45.25,3.35 ; 45.26,3.28 45.25,3.35 ; 30.34,53.72 30.34,53.82 ; 30.34,53.72 30.34,53.82 ; 30.34,53.82 30.35,53.92 ; 30.34,53.82 30.35,53.92 ; 30.36,2.73 30.42,2.69 ; 30.36,2.73 30.42,2.69 ; 47.71,48.83 48.97,48.83 ; 47.71,48.83 48.97,48.83 ; 24.01,19.72 24.08,19.74 ; 24.01,19.72 23.95,19.69 ; 24.01,19.72 24.08,19.74 ; 24.01,19.72 23.95,19.69 ; 2.35,32.63 2.34,32.7 ; 2.35,32.63 2.34,32.7 ; 2.34,32.7 2.34,32.77 ; 2.34,32.7 2.34,32.77 ; 52.22,31.75 52.26,31.73 ; 52.22,31.75 52.26,31.73 ; 57.56,52.24 57.63,52.2 ; 57.56,52.24 57.63,52.2 ; 57.63,52.2 57.69,52.14 ; 57.63,52.2 57.69,52.14 ; 23.74,29.63 23.69,29.58 ; 23.74,29.63 23.69,29.58 ; 1.91,45.8 1.94,45.82 ; 1.91,45.8 1.87,45.77 ; 1.91,45.8 1.94,45.82 ; 1.91,45.8 1.87,45.77 ; 1.94,45.82 1.98,45.84 ; 1.94,45.82 1.98,45.84 ; 15.82,50.19 15.73,50.23 ; 15.82,50.19 15.92,50.16 ; 15.82,50.19 15.73,50.23 ; 15.82,50.19 15.92,50.16 ; 50.02,46.45 49.95,46.48 ; 50.02,46.45 49.95,46.48 ; 48.21,10.88 48.14,10.86 ; 48.21,10.88 48.28,10.89 ; 48.21,10.88 48.14,10.86 ; 48.21,10.88 48.28,10.89 ; 48.14,10.86 48.07,10.86 ; 48.14,10.86 48.07,10.86 ; 44.56,19 44.6,18.97 ; 44.56,19 44.52,19.03 ; 44.56,19 44.6,18.97 ; 44.56,19 44.52,19.03 ; 44.6,18.97 44.67,18.91 ; 44.6,18.97 44.67,18.91 ; 49.45,32.62 49.51,32.59 ; 49.45,32.62 49.51,32.59 ; 49.45,32.62 49.38,32.64 ; 49.45,32.62 49.38,32.64 ; 49.51,32.59 49.58,32.56 ; 49.51,32.59 49.58,32.56 ; 24.78,32.5 24.81,32.44 ; 24.78,32.5 24.81,32.44 ; 43.59,41.93 43.52,41.93 ; 43.59,41.93 43.52,41.93 ; 51.12,54.68 51.2,54.73 ; 51.12,54.68 51.04,54.61 ; 51.12,54.68 51.04,54.61 ; 51.12,54.68 51.2,54.73 ; 51.2,54.73 51.29,54.78 ; 51.2,54.73 51.29,54.78 ; 43.58,54.73 43.67,54.78 ; 43.58,54.73 43.67,54.78 ; 43.58,54.73 43.5,54.68 ; 43.58,54.73 43.5,54.68 ; 43.67,54.78 43.76,54.82 ; 43.67,54.78 43.76,54.82 ; 29.86,18.8 29.91,18.76 ; 29.86,18.8 29.91,18.76 ; 29.86,18.8 29.8,18.85 ; 29.86,18.8 29.8,18.85 ; 29.91,18.76 29.96,18.71 ; 29.91,18.76 29.96,18.71 ; 21.7,3.52 21.67,3.55 ; 21.7,3.52 21.72,3.48 ; 21.7,3.52 21.72,3.48 ; 21.7,3.52 21.67,3.55 ; 21.67,3.55 21.65,3.58 ; 21.67,3.55 21.65,3.58 ; 61.78,6.62 61.63,6.62 ; 61.78,6.62 61.63,6.62 ; 37.21,18.43 37.17,18.47 ; 37.21,18.43 37.17,18.47 ; 39.91,8.38 39.82,8.37 ; 39.91,8.38 39.82,8.37 ; 48.43,53 48.5,52.94 ; 48.43,53 48.5,52.94 ; 5.18,6.27 5.3,6.19 ; 5.18,6.27 5.3,6.19 ; 9.75,33.59 9.83,33.65 ; 9.75,33.59 9.67,33.53 ; 9.75,33.59 9.83,33.65 ; 9.75,33.59 9.67,33.53 ; 9.83,33.65 9.92,33.7 ; 9.83,33.65 9.92,33.7 ; 52.81,51.9 52.86,51.81 ; 52.81,51.9 52.86,51.81 ; 63.36,9.65 63.29,9.67 ; 63.